# Altium PCB PCB1.PcbDoc (part 12 of 15) (continued)
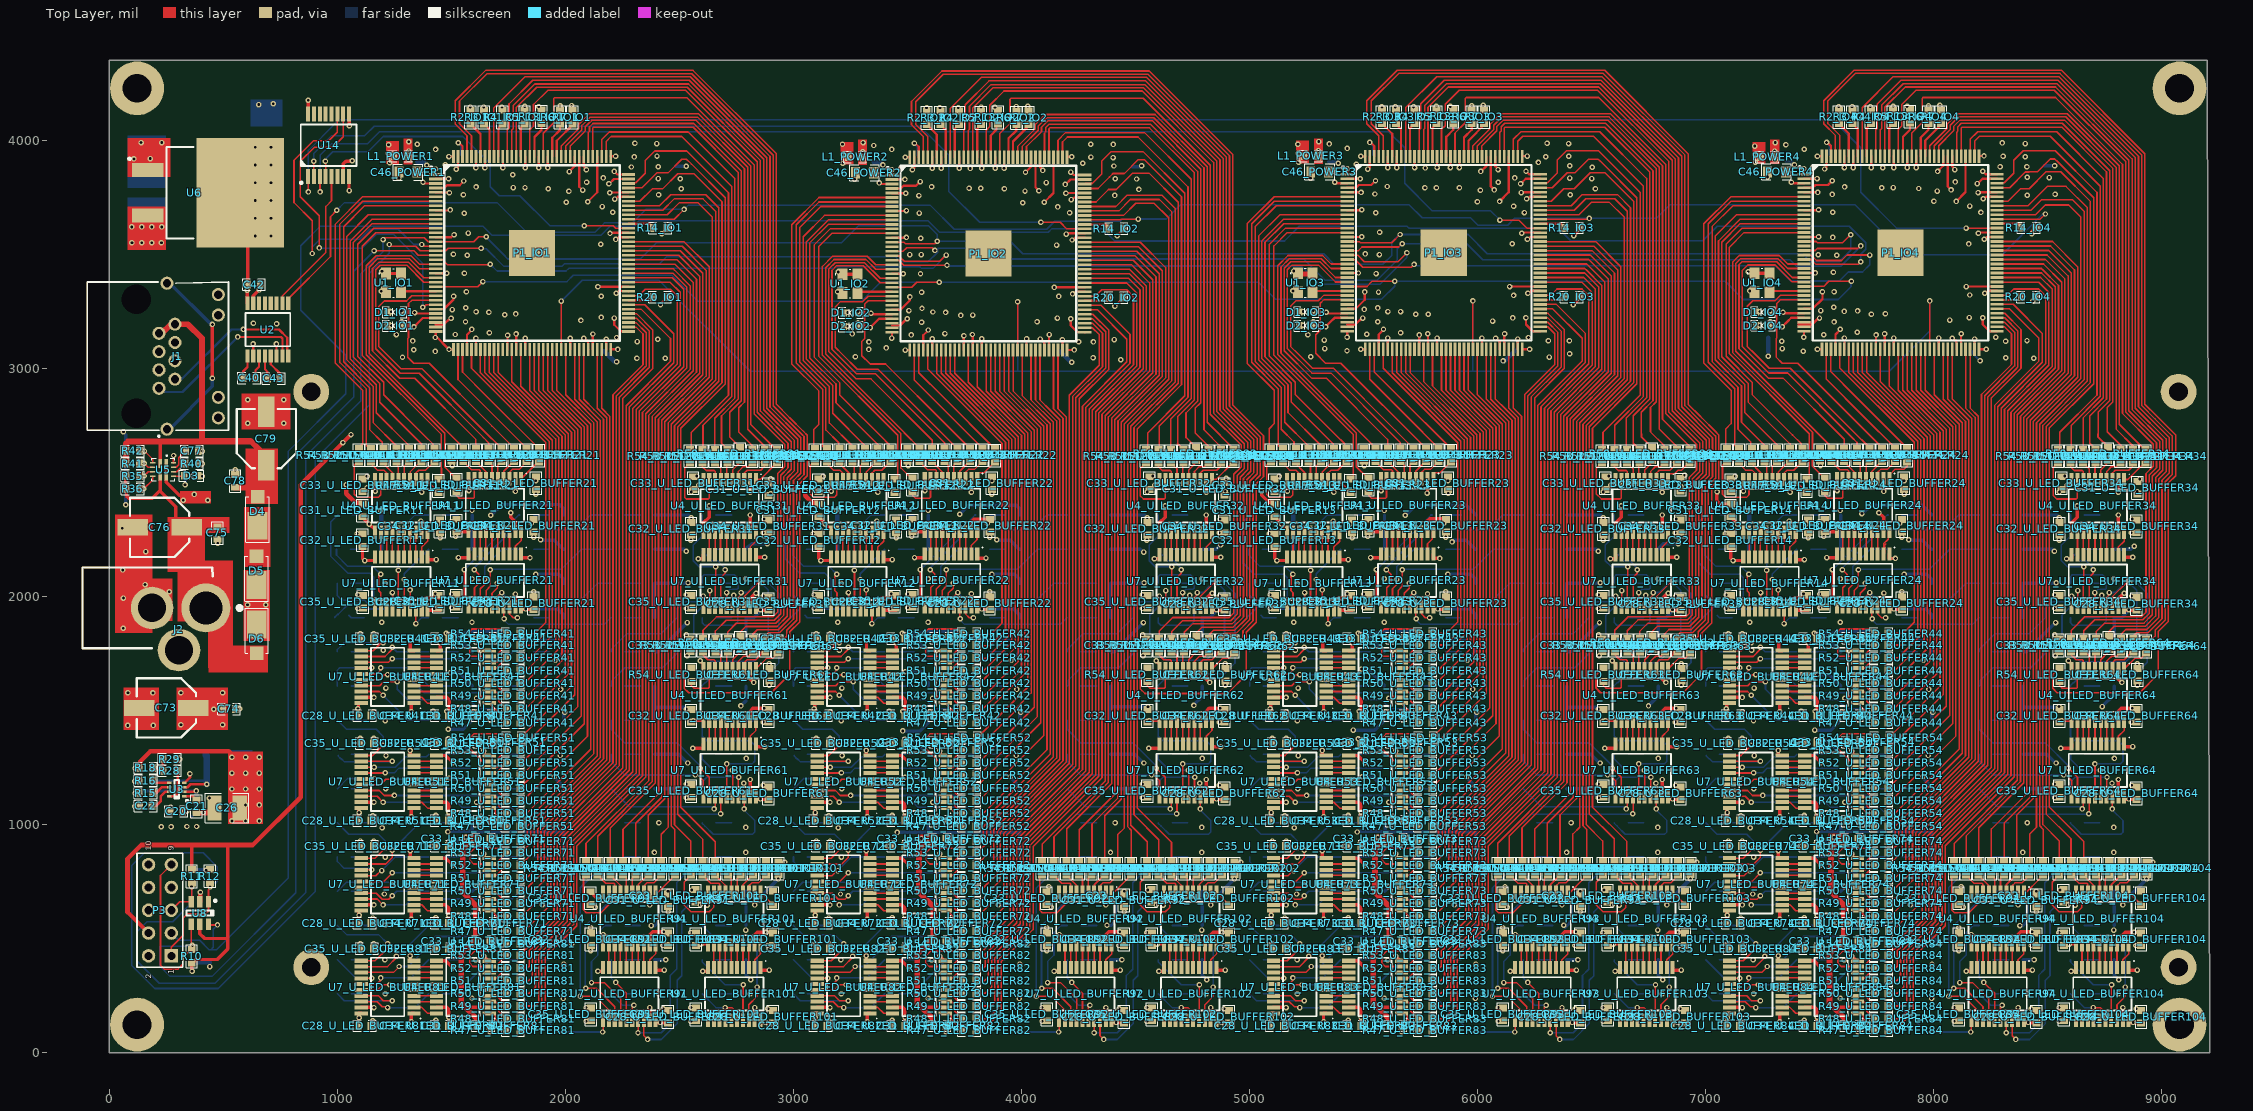
[diagram p0: Top Layer view]
## Nets (pads, with @x,y where several pads share a name; then routed paths per layer and width w, separated by ;. In a path a pad name is that pad's centre, name@x,y a point inside that pad or via, vN(x,y) a via of type N, cw(c..) or ccw(c..) an arc to the next point about the centre after c; other vN are vias at no path point) (continued)
NetU4_U_LED_BUFFER82_16: U4_U_LED_BUFFER82.16 U7_U_LED_BUFFER82.5 | length 98.7
  Top Layer w7: U7_U_LED_BUFFER82.5@3336.3,274.37 U4_U_LED_BUFFER82.16@3434.96,274.37
NetU4_U_LED_BUFFER82_17: U4_U_LED_BUFFER82.17 U7_U_LED_BUFFER82.4 | length 98.7
  Top Layer w7: U7_U_LED_BUFFER82.4@3336.3,248.78 U4_U_LED_BUFFER82.17@3434.96,248.78
NetU4_U_LED_BUFFER82_18: U4_U_LED_BUFFER82.18 U7_U_LED_BUFFER82.3 | length 98.7
  Top Layer w7: U7_U_LED_BUFFER82.3@3336.3,223.19 U4_U_LED_BUFFER82.18@3434.96,223.19
NetU4_U_LED_BUFFER82_20: U4_U_LED_BUFFER82.20 U7_U_LED_BUFFER82.2 | length 109.3
  Top Layer w7: U7_U_LED_BUFFER82.2@3336.3,197.6 3370.2,197.6 3395.79,172.01 U4_U_LED_BUFFER82.20@3434.96,172.01
NetU4_U_LED_BUFFER83_12: U4_U_LED_BUFFER83.12 U7_U_LED_BUFFER83.9 | length 98.7
  Top Layer w7: U7_U_LED_BUFFER83.9@5336.3,376.73 U4_U_LED_BUFFER83.12@5434.96,376.73
NetU4_U_LED_BUFFER83_13: U4_U_LED_BUFFER83.13 U7_U_LED_BUFFER83.8 | length 98.7
  Top Layer w7: U7_U_LED_BUFFER83.8@5336.3,351.14 U4_U_LED_BUFFER83.13@5434.96,351.14
NetU4_U_LED_BUFFER83_14: U4_U_LED_BUFFER83.14 U7_U_LED_BUFFER83.7 | length 98.7
  Top Layer w7: U7_U_LED_BUFFER83.7@5331.97,327.16 U4_U_LED_BUFFER83.14@5430.63,327.16
NetU4_U_LED_BUFFER83_15: U4_U_LED_BUFFER83.15 U7_U_LED_BUFFER83.6 | length 98.7
  Top Layer w7: U7_U_LED_BUFFER83.6@5336.3,299.96 U4_U_LED_BUFFER83.15@5434.96,299.96
NetU4_U_LED_BUFFER83_16: U4_U_LED_BUFFER83.16 U7_U_LED_BUFFER83.5 | length 98.7
  Top Layer w7: U7_U_LED_BUFFER83.5@5336.3,274.37 U4_U_LED_BUFFER83.16@5434.96,274.37
NetU4_U_LED_BUFFER83_17: U4_U_LED_BUFFER83.17 U7_U_LED_BUFFER83.4 | length 98.7
  Top Layer w7: U7_U_LED_BUFFER83.4@5336.3,248.78 U4_U_LED_BUFFER83.17@5434.96,248.78
NetU4_U_LED_BUFFER83_18: U4_U_LED_BUFFER83.18 U7_U_LED_BUFFER83.3 | length 98.7
  Top Layer w7: U7_U_LED_BUFFER83.3@5336.3,223.19 U4_U_LED_BUFFER83.18@5434.96,223.19
NetU4_U_LED_BUFFER83_20: U4_U_LED_BUFFER83.20 U7_U_LED_BUFFER83.2 | length 109.3
  Top Layer w7: U7_U_LED_BUFFER83.2@5336.3,197.6 5370.2,197.6 5395.79,172.01 U4_U_LED_BUFFER83.20@5434.96,172.01
NetU4_U_LED_BUFFER84_12: U4_U_LED_BUFFER84.12 U7_U_LED_BUFFER84.9 | length 98.7
  Top Layer w7: U7_U_LED_BUFFER84.9@7336.3,376.73 U4_U_LED_BUFFER84.12@7434.96,376.73
NetU4_U_LED_BUFFER84_13: U4_U_LED_BUFFER84.13 U7_U_LED_BUFFER84.8 | length 98.7
  Top Layer w7: U7_U_LED_BUFFER84.8@7336.3,351.14 U4_U_LED_BUFFER84.13@7434.96,351.14
NetU4_U_LED_BUFFER84_14: U4_U_LED_BUFFER84.14 U7_U_LED_BUFFER84.7 | length 98.7
  Top Layer w7: U7_U_LED_BUFFER84.7@7331.97,327.16 U4_U_LED_BUFFER84.14@7430.63,327.16
NetU4_U_LED_BUFFER84_15: U4_U_LED_BUFFER84.15 U7_U_LED_BUFFER84.6 | length 98.7
  Top Layer w7: U7_U_LED_BUFFER84.6@7336.3,299.96 U4_U_LED_BUFFER84.15@7434.96,299.96
NetU4_U_LED_BUFFER84_16: U4_U_LED_BUFFER84.16 U7_U_LED_BUFFER84.5 | length 98.7
  Top Layer w7: U7_U_LED_BUFFER84.5@7336.3,274.37 U4_U_LED_BUFFER84.16@7434.96,274.37
NetU4_U_LED_BUFFER84_17: U4_U_LED_BUFFER84.17 U7_U_LED_BUFFER84.4 | length 98.7
  Top Layer w7: U7_U_LED_BUFFER84.4@7336.3,248.78 U4_U_LED_BUFFER84.17@7434.96,248.78
NetU4_U_LED_BUFFER84_18: U4_U_LED_BUFFER84.18 U7_U_LED_BUFFER84.3 | length 98.7
  Top Layer w7: U7_U_LED_BUFFER84.3@7336.3,223.19 U4_U_LED_BUFFER84.18@7434.96,223.19
NetU4_U_LED_BUFFER84_20: U4_U_LED_BUFFER84.20 U7_U_LED_BUFFER84.2 | length 109.3
  Top Layer w7: U7_U_LED_BUFFER84.2@7336.3,197.6 7370.2,197.6 7395.79,172.01 U4_U_LED_BUFFER84.20@7434.96,172.01
NetU4_U_LED_BUFFER91_12: U4_U_LED_BUFFER91.12 U7_U_LED_BUFFER91.9 | length 98.7
  Top Layer w7: U7_U_LED_BUFFER91.9@2191.06,372.83 U4_U_LED_BUFFER91.12@2191.06,471.5
NetU4_U_LED_BUFFER91_13: U4_U_LED_BUFFER91.13 U7_U_LED_BUFFER91.8 | length 98.7
  Top Layer w7: U7_U_LED_BUFFER91.8@2216.66,372.83 U4_U_LED_BUFFER91.13@2216.66,471.5
NetU4_U_LED_BUFFER91_14: U4_U_LED_BUFFER91.14 U7_U_LED_BUFFER91.7 | length 98.7
  Top Layer w7: U7_U_LED_BUFFER91.7@2240.63,368.5 U4_U_LED_BUFFER91.14@2240.63,467.16
NetU4_U_LED_BUFFER91_15: U4_U_LED_BUFFER91.15 U7_U_LED_BUFFER91.6 | length 98.7
  Top Layer w7: U7_U_LED_BUFFER91.6@2267.84,372.83 U4_U_LED_BUFFER91.15@2267.84,471.5
NetU4_U_LED_BUFFER91_16: U4_U_LED_BUFFER91.16 U7_U_LED_BUFFER91.5 | length 98.7
  Top Layer w7: U7_U_LED_BUFFER91.5@2293.43,372.83 U4_U_LED_BUFFER91.16@2293.43,471.5
NetU4_U_LED_BUFFER91_17: U4_U_LED_BUFFER91.17 U7_U_LED_BUFFER91.4 | length 98.7
  Top Layer w7: U7_U_LED_BUFFER91.4@2319.02,372.83 U4_U_LED_BUFFER91.17@2319.02,471.5
NetU4_U_LED_BUFFER91_18: U4_U_LED_BUFFER91.18 U7_U_LED_BUFFER91.3 | length 98.7
  Top Layer w7: U7_U_LED_BUFFER91.3@2344.61,372.83 U4_U_LED_BUFFER91.18@2344.61,471.5
NetU4_U_LED_BUFFER91_20: U4_U_LED_BUFFER91.20 U7_U_LED_BUFFER91.2 | length 109.3
  Top Layer w7: U7_U_LED_BUFFER91.2@2370.2,372.83 2370.2,406.73 2395.79,432.32 U4_U_LED_BUFFER91.20@2395.79,471.5
NetU4_U_LED_BUFFER92_12: U4_U_LED_BUFFER92.12 U7_U_LED_BUFFER92.9 | length 98.7
  Top Layer w7: U7_U_LED_BUFFER92.9@4191.06,372.83 U4_U_LED_BUFFER92.12@4191.06,471.5
NetU4_U_LED_BUFFER92_13: U4_U_LED_BUFFER92.13 U7_U_LED_BUFFER92.8 | length 98.7
  Top Layer w7: U7_U_LED_BUFFER92.8@4216.66,372.83 U4_U_LED_BUFFER92.13@4216.66,471.5
NetU4_U_LED_BUFFER92_14: U4_U_LED_BUFFER92.14 U7_U_LED_BUFFER92.7 | length 98.7
  Top Layer w7: U7_U_LED_BUFFER92.7@4240.63,368.5 U4_U_LED_BUFFER92.14@4240.63,467.16
NetU4_U_LED_BUFFER92_15: U4_U_LED_BUFFER92.15 U7_U_LED_BUFFER92.6 | length 98.7
  Top Layer w7: U7_U_LED_BUFFER92.6@4267.84,372.83 U4_U_LED_BUFFER92.15@4267.84,471.5
NetU4_U_LED_BUFFER92_16: U4_U_LED_BUFFER92.16 U7_U_LED_BUFFER92.5 | length 98.7
  Top Layer w7: U7_U_LED_BUFFER92.5@4293.43,372.83 U4_U_LED_BUFFER92.16@4293.43,471.5
NetU4_U_LED_BUFFER92_17: U4_U_LED_BUFFER92.17 U7_U_LED_BUFFER92.4 | length 98.7
  Top Layer w7: U7_U_LED_BUFFER92.4@4319.02,372.83 U4_U_LED_BUFFER92.17@4319.02,471.5
NetU4_U_LED_BUFFER92_18: U4_U_LED_BUFFER92.18 U7_U_LED_BUFFER92.3 | length 98.7
  Top Layer w7: U7_U_LED_BUFFER92.3@4344.61,372.83 U4_U_LED_BUFFER92.18@4344.61,471.5
NetU4_U_LED_BUFFER92_20: U4_U_LED_BUFFER92.20 U7_U_LED_BUFFER92.2 | length 109.3
  Top Layer w7: U7_U_LED_BUFFER92.2@4370.2,372.83 4370.2,406.73 4395.79,432.32 U4_U_LED_BUFFER92.20@4395.79,471.5
NetU4_U_LED_BUFFER93_12: U4_U_LED_BUFFER93.12 U7_U_LED_BUFFER93.9 | length 98.7
  Top Layer w7: U7_U_LED_BUFFER93.9@6191.06,372.83 U4_U_LED_BUFFER93.12@6191.06,471.5
NetU4_U_LED_BUFFER93_13: U4_U_LED_BUFFER93.13 U7_U_LED_BUFFER93.8 | length 98.7
  Top Layer w7: U7_U_LED_BUFFER93.8@6216.66,372.83 U4_U_LED_BUFFER93.13@6216.66,471.5
NetU4_U_LED_BUFFER93_14: U4_U_LED_BUFFER93.14 U7_U_LED_BUFFER93.7 | length 98.7
  Top Layer w7: U7_U_LED_BUFFER93.7@6240.63,368.5 U4_U_LED_BUFFER93.14@6240.63,467.16
NetU4_U_LED_BUFFER93_15: U4_U_LED_BUFFER93.15 U7_U_LED_BUFFER93.6 | length 98.7
  Top Layer w7: U7_U_LED_BUFFER93.6@6267.84,372.83 U4_U_LED_BUFFER93.15@6267.84,471.5
NetU4_U_LED_BUFFER93_16: U4_U_LED_BUFFER93.16 U7_U_LED_BUFFER93.5 | length 98.7
  Top Layer w7: U7_U_LED_BUFFER93.5@6293.43,372.83 U4_U_LED_BUFFER93.16@6293.43,471.5
NetU4_U_LED_BUFFER93_17: U4_U_LED_BUFFER93.17 U7_U_LED_BUFFER93.4 | length 98.7
  Top Layer w7: U7_U_LED_BUFFER93.4@6319.02,372.83 U4_U_LED_BUFFER93.17@6319.02,471.5
NetU4_U_LED_BUFFER93_18: U4_U_LED_BUFFER93.18 U7_U_LED_BUFFER93.3 | length 98.7
  Top Layer w7: U7_U_LED_BUFFER93.3@6344.61,372.83 U4_U_LED_BUFFER93.18@6344.61,471.5
NetU4_U_LED_BUFFER93_20: U4_U_LED_BUFFER93.20 U7_U_LED_BUFFER93.2 | length 109.3
  Top Layer w7: U7_U_LED_BUFFER93.2@6370.2,372.83 6370.2,406.73 6395.79,432.32 U4_U_LED_BUFFER93.20@6395.79,471.5
NetU4_U_LED_BUFFER94_12: U4_U_LED_BUFFER94.12 U7_U_LED_BUFFER94.9 | length 98.7
  Top Layer w7: U7_U_LED_BUFFER94.9@8191.06,372.83 U4_U_LED_BUFFER94.12@8191.06,471.5
NetU4_U_LED_BUFFER94_13: U4_U_LED_BUFFER94.13 U7_U_LED_BUFFER94.8 | length 98.7
  Top Layer w7: U7_U_LED_BUFFER94.8@8216.66,372.83 U4_U_LED_BUFFER94.13@8216.66,471.5
NetU4_U_LED_BUFFER94_14: U4_U_LED_BUFFER94.14 U7_U_LED_BUFFER94.7 | length 98.7
  Top Layer w7: U7_U_LED_BUFFER94.7@8240.63,368.5 U4_U_LED_BUFFER94.14@8240.63,467.16
NetU4_U_LED_BUFFER94_15: U4_U_LED_BUFFER94.15 U7_U_LED_BUFFER94.6 | length 98.7
  Top Layer w7: U7_U_LED_BUFFER94.6@8267.84,372.83 U4_U_LED_BUFFER94.15@8267.84,471.5
NetU4_U_LED_BUFFER94_16: U4_U_LED_BUFFER94.16 U7_U_LED_BUFFER94.5 | length 98.7
  Top Layer w7: U7_U_LED_BUFFER94.5@8293.43,372.83 U4_U_LED_BUFFER94.16@8293.43,471.5
NetU4_U_LED_BUFFER94_17: U4_U_LED_BUFFER94.17 U7_U_LED_BUFFER94.4 | length 98.7
  Top Layer w7: U7_U_LED_BUFFER94.4@8319.02,372.83 U4_U_LED_BUFFER94.17@8319.02,471.5
NetU4_U_LED_BUFFER94_18: U4_U_LED_BUFFER94.18 U7_U_LED_BUFFER94.3 | length 98.7
  Top Layer w7: U7_U_LED_BUFFER94.3@8344.61,372.83 U4_U_LED_BUFFER94.18@8344.61,471.5
NetU4_U_LED_BUFFER94_20: U4_U_LED_BUFFER94.20 U7_U_LED_BUFFER94.2 | length 109.3
  Top Layer w7: U7_U_LED_BUFFER94.2@8370.2,372.83 8370.2,406.73 8395.79,432.32 U4_U_LED_BUFFER94.20@8395.79,471.5
NetU4_U_LED_BUFFER101_12: U4_U_LED_BUFFER101.12 U7_U_LED_BUFFER101.9 | length 98.7
  Top Layer w7: U7_U_LED_BUFFER101.9@2651.06,372.83 U4_U_LED_BUFFER101.12@2651.06,471.5
NetU4_U_LED_BUFFER101_13: U4_U_LED_BUFFER101.13 U7_U_LED_BUFFER101.8 | length 98.7
  Top Layer w7: U7_U_LED_BUFFER101.8@2676.66,372.83 U4_U_LED_BUFFER101.13@2676.66,471.5
NetU4_U_LED_BUFFER101_14: U4_U_LED_BUFFER101.14 U7_U_LED_BUFFER101.7 | length 98.7
  Top Layer w7: U7_U_LED_BUFFER101.7@2700.63,368.5 U4_U_LED_BUFFER101.14@2700.63,467.16
NetU4_U_LED_BUFFER101_15: U4_U_LED_BUFFER101.15 U7_U_LED_BUFFER101.6 | length 98.7
  Top Layer w7: U7_U_LED_BUFFER101.6@2727.84,372.83 U4_U_LED_BUFFER101.15@2727.84,471.5
NetU4_U_LED_BUFFER101_16: U4_U_LED_BUFFER101.16 U7_U_LED_BUFFER101.5 | length 98.7
  Top Layer w7: U7_U_LED_BUFFER101.5@2753.43,372.83 U4_U_LED_BUFFER101.16@2753.43,471.5
NetU4_U_LED_BUFFER101_17: U4_U_LED_BUFFER101.17 U7_U_LED_BUFFER101.4 | length 98.7
  Top Layer w7: U7_U_LED_BUFFER101.4@2779.02,372.83 U4_U_LED_BUFFER101.17@2779.02,471.5
NetU4_U_LED_BUFFER101_18: U4_U_LED_BUFFER101.18 U7_U_LED_BUFFER101.3 | length 98.7
  Top Layer w7: U7_U_LED_BUFFER101.3@2804.61,372.83 U4_U_LED_BUFFER101.18@2804.61,471.5
NetU4_U_LED_BUFFER101_20: U4_U_LED_BUFFER101.20 U7_U_LED_BUFFER101.2 | length 109.3
  Top Layer w7: U7_U_LED_BUFFER101.2@2830.2,372.83 2830.2,406.73 2855.79,432.32 U4_U_LED_BUFFER101.20@2855.79,471.5
NetU4_U_LED_BUFFER102_12: U4_U_LED_BUFFER102.12 U7_U_LED_BUFFER102.9 | length 98.7
  Top Layer w7: U7_U_LED_BUFFER102.9@4651.06,372.83 U4_U_LED_BUFFER102.12@4651.06,471.5
NetU4_U_LED_BUFFER102_13: U4_U_LED_BUFFER102.13 U7_U_LED_BUFFER102.8 | length 98.7
  Top Layer w7: U7_U_LED_BUFFER102.8@4676.66,372.83 U4_U_LED_BUFFER102.13@4676.66,471.5
NetU4_U_LED_BUFFER102_14: U4_U_LED_BUFFER102.14 U7_U_LED_BUFFER102.7 | length 98.7
  Top Layer w7: U7_U_LED_BUFFER102.7@4700.63,368.5 U4_U_LED_BUFFER102.14@4700.63,467.16
NetU4_U_LED_BUFFER102_15: U4_U_LED_BUFFER102.15 U7_U_LED_BUFFER102.6 | length 98.7
  Top Layer w7: U7_U_LED_BUFFER102.6@4727.84,372.83 U4_U_LED_BUFFER102.15@4727.84,471.5
NetU4_U_LED_BUFFER102_16: U4_U_LED_BUFFER102.16 U7_U_LED_BUFFER102.5 | length 98.7
  Top Layer w7: U7_U_LED_BUFFER102.5@4753.43,372.83 U4_U_LED_BUFFER102.16@4753.43,471.5
NetU4_U_LED_BUFFER102_17: U4_U_LED_BUFFER102.17 U7_U_LED_BUFFER102.4 | length 98.7
  Top Layer w7: U7_U_LED_BUFFER102.4@4779.02,372.83 U4_U_LED_BUFFER102.17@4779.02,471.5
NetU4_U_LED_BUFFER102_18: U4_U_LED_BUFFER102.18 U7_U_LED_BUFFER102.3 | length 98.7
  Top Layer w7: U7_U_LED_BUFFER102.3@4804.61,372.83 U4_U_LED_BUFFER102.18@4804.61,471.5
NetU4_U_LED_BUFFER102_20: U4_U_LED_BUFFER102.20 U7_U_LED_BUFFER102.2 | length 109.3
  Top Layer w7: U7_U_LED_BUFFER102.2@4830.2,372.83 4830.2,406.73 4855.79,432.32 U4_U_LED_BUFFER102.20@4855.79,471.5
NetU4_U_LED_BUFFER103_12: U4_U_LED_BUFFER103.12 U7_U_LED_BUFFER103.9 | length 98.7
  Top Layer w7: U7_U_LED_BUFFER103.9@6651.06,372.83 U4_U_LED_BUFFER103.12@6651.06,471.5
NetU4_U_LED_BUFFER103_13: U4_U_LED_BUFFER103.13 U7_U_LED_BUFFER103.8 | length 98.7
  Top Layer w7: U7_U_LED_BUFFER103.8@6676.66,372.83 U4_U_LED_BUFFER103.13@6676.66,471.5
NetU4_U_LED_BUFFER103_14: U4_U_LED_BUFFER103.14 U7_U_LED_BUFFER103.7 | length 98.7
  Top Layer w7: U7_U_LED_BUFFER103.7@6700.63,368.5 U4_U_LED_BUFFER103.14@6700.63,467.16
NetU4_U_LED_BUFFER103_15: U4_U_LED_BUFFER103.15 U7_U_LED_BUFFER103.6 | length 98.7
  Top Layer w7: U7_U_LED_BUFFER103.6@6727.84,372.83 U4_U_LED_BUFFER103.15@6727.84,471.5
NetU4_U_LED_BUFFER103_16: U4_U_LED_BUFFER103.16 U7_U_LED_BUFFER103.5 | length 98.7
  Top Layer w7: U7_U_LED_BUFFER103.5@6753.43,372.83 U4_U_LED_BUFFER103.16@6753.43,471.5
NetU4_U_LED_BUFFER103_17: U4_U_LED_BUFFER103.17 U7_U_LED_BUFFER103.4 | length 98.7
  Top Layer w7: U7_U_LED_BUFFER103.4@6779.02,372.83 U4_U_LED_BUFFER103.17@6779.02,471.5
NetU4_U_LED_BUFFER103_18: U4_U_LED_BUFFER103.18 U7_U_LED_BUFFER103.3 | length 98.7
  Top Layer w7: U7_U_LED_BUFFER103.3@6804.61,372.83 U4_U_LED_BUFFER103.18@6804.61,471.5
NetU4_U_LED_BUFFER103_20: U4_U_LED_BUFFER103.20 U7_U_LED_BUFFER103.2 | length 109.3
  Top Layer w7: U7_U_LED_BUFFER103.2@6830.2,372.83 6830.2,406.73 6855.79,432.32 U4_U_LED_BUFFER103.20@6855.79,471.5
NetU4_U_LED_BUFFER104_12: U4_U_LED_BUFFER104.12 U7_U_LED_BUFFER104.9 | length 98.7
  Top Layer w7: U7_U_LED_BUFFER104.9@8651.06,372.83 U4_U_LED_BUFFER104.12@8651.06,471.5
NetU4_U_LED_BUFFER104_13: U4_U_LED_BUFFER104.13 U7_U_LED_BUFFER104.8 | length 98.7
  Top Layer w7: U7_U_LED_BUFFER104.8@8676.66,372.83 U4_U_LED_BUFFER104.13@8676.66,471.5
NetU4_U_LED_BUFFER104_14: U4_U_LED_BUFFER104.14 U7_U_LED_BUFFER104.7 | length 98.7
  Top Layer w7: U7_U_LED_BUFFER104.7@8700.63,368.5 U4_U_LED_BUFFER104.14@8700.63,467.16
NetU4_U_LED_BUFFER104_15: U4_U_LED_BUFFER104.15 U7_U_LED_BUFFER104.6 | length 98.7
  Top Layer w7: U7_U_LED_BUFFER104.6@8727.84,372.83 U4_U_LED_BUFFER104.15@8727.84,471.5
NetU4_U_LED_BUFFER104_16: U4_U_LED_BUFFER104.16 U7_U_LED_BUFFER104.5 | length 98.7
  Top Layer w7: U7_U_LED_BUFFER104.5@8753.43,372.83 U4_U_LED_BUFFER104.16@8753.43,471.5
NetU4_U_LED_BUFFER104_17: U4_U_LED_BUFFER104.17 U7_U_LED_BUFFER104.4 | length 98.7
  Top Layer w7: U7_U_LED_BUFFER104.4@8779.02,372.83 U4_U_LED_BUFFER104.17@8779.02,471.5
NetU4_U_LED_BUFFER104_18: U4_U_LED_BUFFER104.18 U7_U_LED_BUFFER104.3 | length 98.7
  Top Layer w7: U7_U_LED_BUFFER104.3@8804.61,372.83 U4_U_LED_BUFFER104.18@8804.61,471.5
NetU4_U_LED_BUFFER104_20: U4_U_LED_BUFFER104.20 U7_U_LED_BUFFER104.2 | length 109.3
  Top Layer w7: U7_U_LED_BUFFER104.2@8830.2,372.83 8830.2,406.73 8855.79,432.32 U4_U_LED_BUFFER104.20@8855.79,471.5
PWR_CNTRL: C78.2 C79.1 D4.2 J1.7 J1.8 R41.1 R42.2 U5.2 | length 2076.2
  Top Layer w15: U5.2@223.14,2569.57 223.14,2679.57
  Top Layer w25: R41.1@72.98,2582.81 R42.2@72.98,2638.34 72.98,2670.94 81.61,2679.57 223.14,2679.57 406.24,2679.57 622.74,2679.57 ; J1.7@229.86,3153.85 270.02,3194.01 299.94,3194.01 344.27,3194.01 406.24,3132.04 406.24,2685.07 ; 406.24,2682.77 619.54,2682.77 622.74,2679.57 ; C78.2@549.81,2476.48 C78.2@552.34,2479.01 ; C78.2@552.34,2477.55 619.97,2477.55 650.54,2508.12 ; D4.2@650.54,2436.83 650.54,2508.12 ; 650.54,2565.67 650.54,2508.12 ; 622.74,2679.57 668.64,2633.67 668.64,2526.22 650.54,2508.12
PWR_LOCAL: C75.2 C76.1 D6.2 J2.1 R35.1 R36.2 U5.7 | length 763.1
  Top Layer w10: J2.1@422.15,1858.6 J2.1@422.15,1951.7 ; 538.34,1750.07 D6.2@646.44,1750.07
  Top Layer w15: R35.1@72.98,2527.27 R36.2@72.98,2471.74 75.5,2469.23 75.5,2440.53 85.98,2430.04 188.18,2430.04 221.63,2463.49 ; U5.7@222.78,2529.79 223.08,2529.49 223.08,2464.94 221.63,2463.49 ; C76.1@287.24,2314.67 348.84,2253.07 ; C76.1@292.44,2337.17 292.44,2392.69 221.63,2463.49
RS232_RX: J1.2 U2.8 | length 667.7
  Top Layer w10: v1(588.14,3170.77) 744.08,3170.77 780.18,3134.67 780.18,3084.19 781.05,3083.32 781.05,3058.15 U2.8@784.91,3054.3
  Bottom Layer w10: J1.2@299.94,2953.07 318.36,2953.07 536.06,3170.77 v1(588.14,3170.77)
RS232_TX: J1.1 U2.7 | length 716.3
  Top Layer w10: v1(563.06,3137.97) 752.84,3137.97 759.32,3131.49 U2.7@759.32,3054.3
  Bottom Layer w10: J1.1@229.86,2912.91 246.45,2896.32 321.42,2896.32 v1(563.06,3137.97)
SCL: P1_IO1.97 R14_IO1.1 | length 116.2
  Top Layer w10: P1_IO1.97@2276.85,3634.06 2367.63,3634.06 2376.63,3625.06 R14_IO1.1@2385.63,3616.06
SCL_IO2: P1_IO2.97 R14_IO2.1 | length 116.2
  Top Layer w10: P1_IO2.97@4277.95,3631.46 4368.73,3631.46 4377.73,3622.46 R14_IO2.1@4386.73,3613.46
SCL_IO3: P1_IO3.97 R14_IO3.1 | length 116.2
  Top Layer w10: P1_IO3.97@6274.85,3634.91 6365.63,3634.91 6374.63,3625.91 R14_IO3.1@6383.63,3616.91
SCL_IO4: P1_IO4.97 R14_IO4.1 | length 116.2
  Top Layer w10: P1_IO4.97@8277.85,3635.06 8368.63,3635.06 R14_IO4.1@8386.63,3617.06
SDA: P1_IO1.80 R20_IO1.1 | length 109.8
  Top Layer w10: P1_IO1.80@2276.85,3299.42 2380.38,3299.42 R20_IO1.1@2384.83,3303.87
SDA_IO2: P1_IO2.80 R20_IO2.1 | length 202.8
  Top Layer w10: R20_IO2.1@4385.93,3301.27 4381.48,3296.82 R20_IO2.1@4370.93,3296.82 ; R20_IO2.1@4370.93,3296.82 P1_IO2.80@4277.95,3296.82 R20_IO2.1@4370.93,3296.82
SDA_IO3: P1_IO3.80 R20_IO3.1 | length 202.8
  Top Layer w10: R20_IO3.1@6382.83,3304.72 6378.38,3300.27 R20_IO3.1@6367.83,3300.27 ; R20_IO3.1@6367.83,3300.27 P1_IO3.80@6274.85,3300.27 R20_IO3.1@6367.83,3300.27
SDA_IO4: P1_IO4.80 R20_IO4.1 | length 202.8
  Top Layer w10: R20_IO4.1@8385.83,3304.87 8381.38,3300.42 R20_IO4.1@8370.83,3300.42 ; R20_IO4.1@8370.83,3300.42 P1_IO4.80@8277.85,3300.42 R20_IO4.1@8370.83,3300.42
SHIELD: J1.MH1 J1.MH2 | length 799.5
  Top Layer w15: v2(452.44,2957.17) v2(452.47,3192.66)
  Bottom Layer w15: J1.MH2@264.9,2733.38 452.44,2920.92 v2(452.44,2957.17) ; J1.MH1@264.9,3373.54 266.07,3373.54 446.94,3192.66 v2(452.47,3192.66)
TCK: C36.2 P1_IO1.18 P1_IO2.18 P1_IO3.18 P1_IO4.18 P3.1 R12.2 U8.1 | length 12865.8
  Top Layer w7: P3.1@272.17,423.87 272.17,461.34 324.57,513.74 324.57,589.37 344.57,609.37 424.57,609.37 434.97,619.77 U8.1@434.97,660.68 434.97,714.39 ; v1(1228.34,3543.3) 1235.67,3535.98 1344.31,3535.98 1364.33,3515.95 P1_IO1.18@1431.34,3515.95 1475.45,3515.95 1486.66,3527.17 v1(1630.63,3527.17) ; P1_IO2.18@3432.44,3513.35 3481.2,3513.35 3496.89,3529.05 3608.75,3529.05 v1(3620.63,3517.17) ; P1_IO3.18@5429.34,3516.8 5478.1,3516.8 5493.79,3532.5 5653.48,3532.5 5668.15,3547.17 v1(5670.63,3547.17) ; P1_IO4.18@7432.34,3516.95 7481.1,3516.95 7489.83,3525.69 7668.03,3525.69 7679.51,3537.17 v1(7680.63,3537.17)
  Bottom Layer w7: C36.2@440.37,744.61 468.58,744.61 472.68,748.71 472.68,814.98 412.22,875.44 154.71,875.44 97.95,818.67 97.95,382.35 199.42,280.87 478.3,280.87 903.17,705.75 903.17,2603.17 1140,2840 1140,3416.26 1228.34,3504.6 v1(1228.34,3543.3) ; v1(1630.63,3527.17) 1633.13,3524.67 1653.13,3524.67 1730.63,3447.17 1984.63,3447.17 1995.54,3458.08 2411.54,3458.08 2443.66,3490.2 3447.6,3490.2 3470.63,3467.17 3590.63,3467.17 3633.23,3509.77 3633.23,3527.17 3650.63,3527.17 3910.63,3527.17 3958.01,3479.79 5237.83,3479.79 5330.4,3387.22 5560.69,3387.22 5648.67,3475.2 5648.67,3525.2 v1(5670.63,3547.17) 5953.21,3547.17 6023.57,3476.81 7370.98,3476.81 7399.26,3448.53 7592.98,3448.53 7680.63,3536.18 v1(7680.63,3537.17)
  other v1: 441.85,725.88
TDI: C39.2 P1_IO1.19 P3.9 R10.2 U8.4 | length 5001.5
  Top Layer w7: P3.9@272.17,823.87 224.57,776.27 224.57,382.27 241.06,365.78 301.88,365.78 322.76,386.66 322.76,416.19 347.34,440.77 350.17,440.77 R10.2@361.67,452.27 ; U8.4@360.17,562.26 360.17,478.37 364.57,473.97 v1(364.57,469.37) ; v1@1163.27,3516.71 1335.62,3516.71 1355.57,3496.76 1430.85,3496.76 P1_IO1.19@1431.34,3496.27
  Bottom Layer w7: P3.9@256.94,823.87 P3.9@272.17,823.87 ; C39.2@361.67,452.27 358.95,452.27 344.7,466.52 224.88,466.52 220.78,462.42 220.78,379.24 266.4,333.62 450.2,333.62 817.46,700.87 817.46,2620.49 1072.04,2875.08 1072.04,3426.37 v1(1161.42,3515.75)
TDI_IO2: P1_IO1.20 P1_IO2.19 | length 2549.4
  Top Layer w7: P1_IO1.20@1431.34,3476.58 1461.49,3476.58 1483.04,3455.04 1668.51,3455.04 v1(1670.63,3457.17) ; P1_IO2.19@3432.44,3493.67 3433.34,3492.76 3463.61,3492.76 3486.61,3469.77 3641.63,3469.77 v1@3665.53,3493.67
  Bottom Layer w7: v1(1670.63,3457.17) 1700.63,3427.17 2003.37,3427.17 2014.69,3438.49 3180.33,3438.49 3187.61,3445.77 3554.55,3445.77 3561.83,3438.49 3611.95,3438.49 v1(3670.63,3497.17)
TDI_IO3: P1_IO2.20 P1_IO3.19 | length 2659.6
  Top Layer w7: P1_IO2.20@3432.44,3473.98 3462.59,3473.98 3484.14,3452.44 v1(3673.66,3452.44) ; P1_IO3.19@5429.34,3497.12 5430.24,3496.21 5475.72,3496.21 5503.71,3468.23 5651.69,3468.23 v1(5690.63,3507.17)
  Bottom Layer w7: v1(3673.66,3452.44) 3676.89,3449.22 5226.96,3449.22 5306.81,3369.36 5572.72,3369.36 5690.63,3487.27 v1(5690.63,3507.17)
TDI_IO4: P1_IO3.20 P1_IO4.19 | length 2719.7
  Top Layer w7: P1_IO3.20@5429.34,3477.43 5430.16,3476.61 5464.31,3476.61 5496.76,3444.16 5709.18,3444.16 5720.77,3455.75 v1(5721.78,3455.75) ; P1_IO4.19@7432.34,3497.27 7433.24,3496.36 7463.51,3496.36 7486.51,3473.37 7596.83,3473.37 7620.73,3497.27 7720.53,3497.27 v1(7720.63,3497.17)
  Bottom Layer w7: v1(5721.78,3455.75) 5726.38,3455.75 5732.76,3449.37 7308.43,3449.37 7374.37,3383.42 7586.28,3383.42 7625.81,3422.95 7688.5,3422.95 7720.63,3455.08 v1(7720.63,3497.17)
TDO: C37.2 P1_IO4.20 P3.3 U8.6 | length 11253.2
  Top Layer w7: U8.6@434.97,562.26 437.86,559.37 v1(474.57,559.37) ; P1_IO4.20@7432.34,3477.58 7462.49,3477.58 7484.04,3456.04 7669.5,3456.04 v1(7680.63,3467.17)
  Bottom Layer w7: P3.3@272.17,523.87 304.17,491.87 396.61,491.87 438.65,449.83 C37.2@444.08,449.83 ; v1(474.57,559.37) 455.58,540.39 455.58,461.33 C37.2@444.08,449.83 ; v1(7680.63,3467.17) 7680.63,3500.45 7703.13,3522.95 7703.13,3551.63 7630.9,3623.87 7051.77,3623.87 6987.88,3559.98 6408.75,3559.98 6353.51,3615.22 6139.14,3615.22 6137.95,3614.02 5700.19,3614.02 5690.5,3623.72 5218.54,3623.72 5153.73,3558.91 4409.47,3558.91 4356.61,3611.77 4132.33,3611.77 4117.33,3596.76 3640.84,3596.76 3590.03,3647.56 2323.38,3647.56 2299.76,3623.94 2196.09,3623.94 2155.97,3583.83 1678.49,3583.83 1638.08,3624.24 926.63,3624.24 839.69,3537.3 839.69,3254.67 1036.93,3057.43 1036.93,2888.84 784.14,2636.05 784.14,764.39 469.58,449.83 C37.2@444.08,449.83
TMS: C38.2 P1_IO1.16 P1_IO2.16 P1_IO3.16 P1_IO4.16 P3.5 R11.2 U8.3 | length 12178.3
  Top Layer w7: P3.5@272.17,623.87 308.98,660.68 U8.3@360.17,660.68 361.77,662.28 R11.2@361.77,727.48 ; v1(1200.56,3565.15) 1201.76,3565.15 1209.36,3572.74 1381.11,3572.74 1398.53,3555.32 P1_IO1.16@1431.34,3555.32 1598.79,3555.32 1620.63,3577.17 1652.72,3577.17 v1(1653.03,3577.47) ; P1_IO2.16@3432.44,3552.72 3485.54,3552.72 3491.23,3547.04 3620.5,3547.04 v1(3630.63,3557.17) ; P1_IO3.16@5429.34,3556.17 5482.44,3556.17 5488.13,3550.49 5623.95,3550.49 v1(5660.63,3587.17) ; P1_IO4.16@7432.34,3556.32 7485.44,3556.32 7491.13,3550.64 7600.63,3550.64 7635.94,3585.95 v1(7636.99,3585.95)
  Bottom Layer w7: C38.2@361.77,742.47 361.77,727.48 361.08,726.79 361.08,656.17 278.85,573.94 165.63,573.94 120.06,528.37 120.06,401.82 218.71,303.18 463.67,303.18 860.8,700.3 860.8,2614.24 1101.95,2855.39 1101.95,3412.45 1200.56,3511.06 v1(1200.56,3565.15) ; v1(1653.03,3577.47) 1653.03,3574.77 1727.64,3500.16 1747.95,3479.84 2328.94,3479.84 2400.82,3551.73 3212.24,3551.73 3286.8,3626.29 3591.51,3626.29 3630.63,3587.17 v1(3630.63,3557.17) 3950.63,3557.17 4005.43,3502.36 5325.43,3502.36 5370.93,3456.86 5585.04,3456.86 5623.54,3495.36 5623.54,3553.81 5656.89,3587.17 v1(5660.63,3587.17) 5959.1,3587.17 6043.35,3502.91 7424.88,3502.91 7460.63,3467.17 7586.6,3467.17 7636.99,3517.55 v1(7636.99,3585.95)
  other v1: 361.08,727.48
V+: C41.2 U2.2 | length 53.5
  Top Layer w10: v1(630.64,3107.47) 631.36,3106.74 U2.2@631.36,3054.3
V-: C44.2 U2.6 | length 53.2
  Top Layer w10: v1(732.94,3107.17) 733.73,3106.38 U2.6@733.73,3054.3